# Allegro board 8880F5-0825_4.brd (continued)
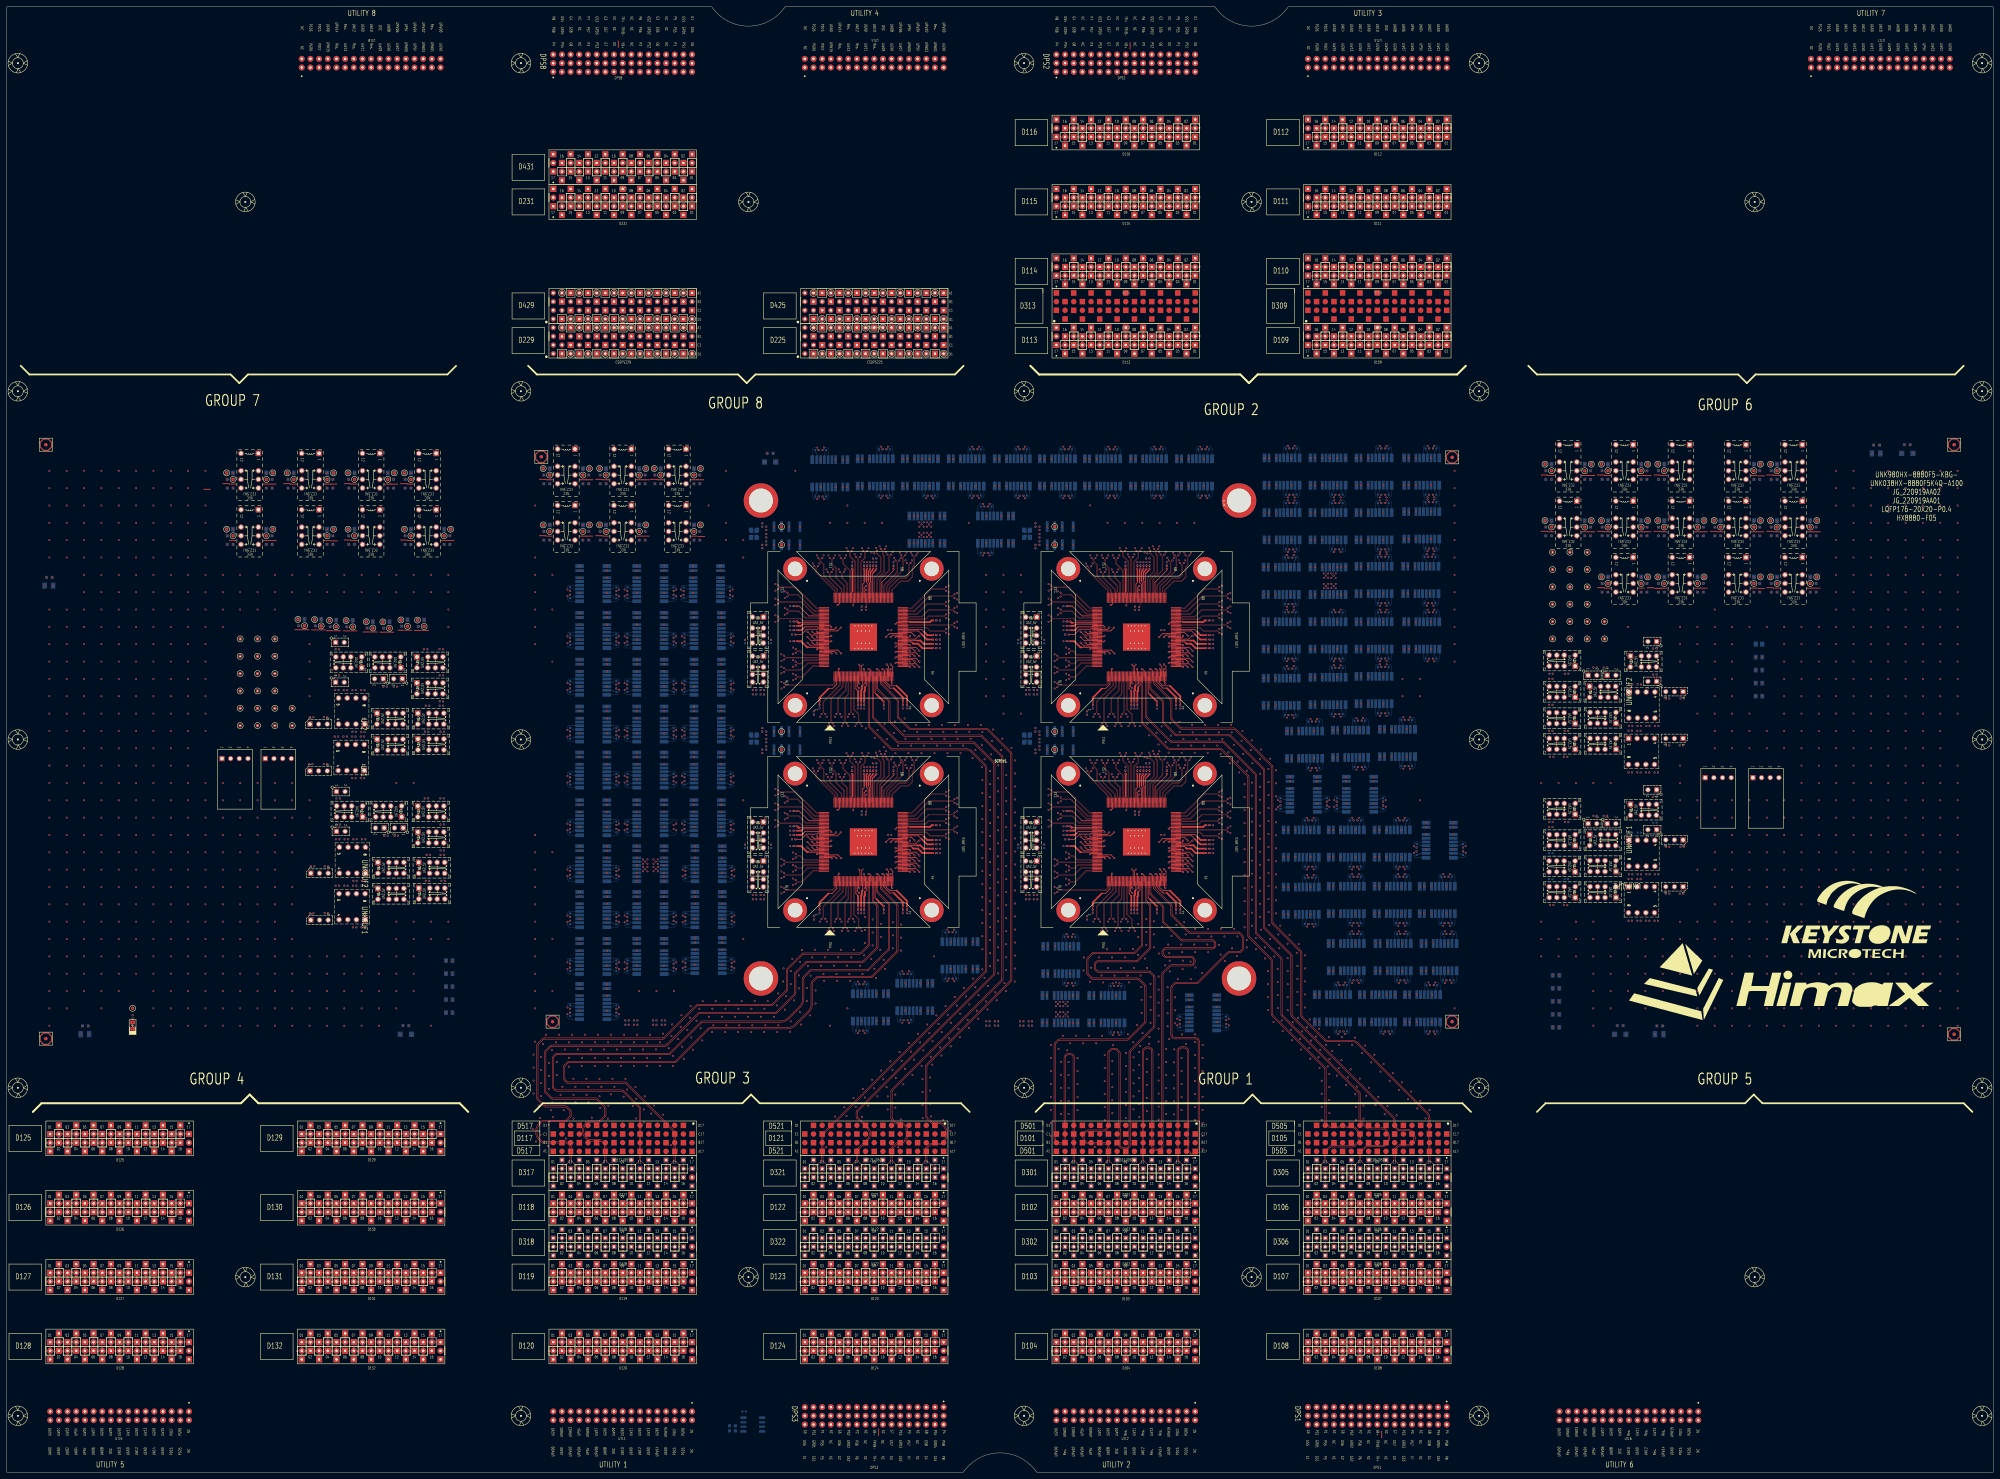
[diagram p0: board, top side]
## Routing (per net, layer and track width the routed paths; a pad name or vN(x,y) marks a point on that pad's centre or on a via; arc(x,y) is an arc through that point) (continued)
v1(167.65,59.79) v1(167.65,57.25) v1(167.65,39.47) v1(167.65,36.93) v1(167.7,265.45) v1(167.7,262) v1(167.7,257.6) v1(167.7,251.73) v1(167.7,248.28) v1(167.7,243.88) v1(167.7,238.02) v1(167.7,234.57) v1(167.7,230.17) v1(167.7,224.3) v1(167.7,220.85) v1(167.7,216.45) v1(167.7,210.84) v1(167.7,207.39) v1(167.7,202.99) v1(167.7,196.87) v1(167.7,193.42) v1(167.7,189.02) v1(167.7,183.41) v1(167.7,179.96) v1(167.7,175.56) v1(167.7,169.95) v1(167.7,166.5) v1(167.7,162.1) v1(167.7,156.23) v1(167.7,152.78) v1(167.7,148.38) v1(167.7,143.02) v1(167.7,139.57) v1(167.7,135.17) v1(168.36,119.03) v1(168.42,125.92) v1(168.45,121.37) v1(168.85,88.9) v1(168.85,68.58) v1(168.97,86.36) v1(168.92,78.84) v1(168.9,76.1) v1(168.97,66.04) v1(168.92,58.52) v1(168.9,55.78) v1(168.92,38.2) v1(168.9,35.46) v1(169.3,128.15) v1(169.72,115.24) v1(169.76,110.55) v1(170.18,87.57) v1(170.18,85.15) v1(170.17,77.37) v1(170.17,74.83) v1(170.18,67.25) v1(170.18,64.83) v1(170.17,57.05) v1(170.17,54.51) v1(170.17,36.73) v1(170.17,34.19) v1(170.3,112.9) v1(170.32,108.33) v1(170.39,292.1) v1(170.39,289.56) v1(170.39,275.59) v1(170.39,273.05) v1(170.6,294) v1(170.6,277.5) v1(171.04,123.83) v1(171.29,103.85) v1(171.39,86.36) v1(171.46,78.84) v1(171.44,76.1) v1(171.39,66.04) v1(171.46,58.52) v1(171.44,55.78) v1(171.46,38.2) v1(171.44,35.46) v1(171.51,88.9) v1(171.51,68.58) v1(172.17,119.03) v1(172.23,125.92) v1(172.26,121.37) v1(172.72,90.11) v1(172.72,87.69) v1(172.73,80.11) v1(172.73,77.57) v1(172.72,69.79) v1(172.72,67.37) v1(172.73,59.79) v1(172.73,57.25) v1(172.73,39.47) v1(172.73,36.93) v1(173.11,128.15) v1(173.57,294) v1(173.57,277.5) v1(173.53,115.24) v1(173.55,110.11) v1(173.78,292.1) v1(173.78,289.56) v1(173.78,275.59) v1(173.78,273.05) v1(173.78,106.74) v1(173.93,88.9) v1(173.93,68.58) v1(174.05,86.36) v1(174,78.84) v1(173.98,76.1) v1(174.05,66.04) v1(174,58.52) v1(173.98,55.78) v1(174,38.2) v1(173.98,35.46) v1(174.11,112.9) v1(174.85,123.83) v1(175.26,87.57) v1(175.26,85.15) v1(175.25,77.37) v1(175.25,74.83) v1(175.26,67.25) v1(175.26,64.83) v1(175.25,57.05) v1(175.25,54.51) v1(175.25,36.73) v1(175.25,34.19) v1(175.7,265.45) v1(175.7,262) v1(175.7,257.6) v1(175.7,251.73) v1(175.7,248.28) v1(175.7,243.88) v1(175.7,238.02) v1(175.7,234.57) v1(175.7,230.17) v1(175.7,224.3) v1(175.7,220.85) v1(175.7,216.45) v1(175.7,210.84) v1(175.7,207.39) v1(175.7,202.99) v1(175.7,196.87) v1(175.7,193.42) v1(175.7,189.02) v1(175.7,183.41) v1(175.7,179.96) v1(175.7,175.56) v1(175.7,169.95) v1(175.7,166.5) v1(175.7,162.1) v1(175.7,156.23) v1(175.7,152.78) v1(175.7,148.38) v1(175.7,143.02) v1(175.7,139.57) v1(175.7,135.17) v1(176.04,125.92) v1(176.07,121.37) v1(175.98,119.03) v1(175.99,103.56) v1(176.19,107.37) v1(176.47,86.36) v1(176.47,66.04) v1(176.54,78.84) v1(176.52,76.1) v1(176.54,58.52) v1(176.52,55.78) v1(176.54,38.2) v1(176.52,35.46) v1(176.59,88.9) v1(176.59,68.58) v1(176.85,110.68) v1(176.92,128.15) v1(177.34,115.24) v1(177.8,90.11) v1(177.8,87.69) v1(177.81,80.11) v1(177.81,77.57) v1(177.8,69.79) v1(177.8,67.37) v1(177.81,59.79) v1(177.81,57.25) v1(177.81,39.47) v1(177.81,36.93) v1(177.92,112.9) v1(178.66,123.83) v1(179.01,88.9) v1(179.08,78.84) v1(179.06,76.1) v1(179.01,68.58) v1(179.08,58.52) v1(179.06,55.78) v1(179.08,38.2) v1(179.06,35.46) v1(179.13,86.36) v1(179.13,66.04) v1(179.85,125.92) v1(179.79,119.03) v1(179.88,121.37) v1(180.34,87.57) v1(180.34,85.15) v1(180.33,77.37) v1(180.33,74.83) v1(180.34,67.25) v1(180.34,64.83) v1(180.33,57.05) v1(180.33,54.51) v1(180.33,36.73) v1(180.33,34.19) v1(180.6,109.99) v1(180.73,128.15) v1(181.15,115.23) v1(181.55,86.36) v1(181.55,66.04) v1(181.64,112.09) v1(181.67,88.9) v1(181.62,78.84) v1(181.6,76.1) v1(181.67,68.58) v1(181.62,58.52) v1(181.6,55.78) v1(181.62,38.2) v1(181.6,35.46) v1(182.47,123.83) v1(182.88,90.11) v1(182.88,87.69) v1(182.88,69.79) v1(182.88,67.37) v1(182.89,80.11) v1(182.89,77.57) v1(182.89,59.79) v1(182.89,57.25) v1(182.89,39.47) v1(182.89,36.93) v1(183.29,107.29) v1(183.65,131.06) v1(183.66,125.92) v1(183.6,119.03) v1(183.69,121.37) v1(184.09,112.81) v1(184.09,88.9) v1(184.16,78.84) v1(184.14,76.1) v1(184.09,68.58) v1(184.16,58.52) v1(184.14,55.78) v1(184.16,38.2) v1(184.14,35.46) v1(184.21,86.36) v1(184.21,66.04) v1(184.33,109.4) v1(184.28,103.61) v1(184.47,265.45) v1(184.47,262) v1(184.47,257.6) v1(184.47,251.73) v1(184.47,248.28) v1(184.47,243.88) v1(184.47,238.02) v1(184.47,234.57) v1(184.47,230.17) v1(184.47,224.3) v1(184.47,220.85) v1(184.47,216.45) v1(184.47,210.84) v1(184.47,207.39) v1(184.47,202.99) v1(184.47,196.87) v1(184.47,193.42) v1(184.47,189.02) v1(184.47,183.41) v1(184.47,179.96) v1(184.47,177.76) v1(184.47,175.56) v1(184.47,173.11) v1(184.47,169.95) v1(184.47,166.5) v1(184.47,162.1) v1(184.47,156.23) v1(184.47,152.78) v1(184.47,148.38) v1(184.54,128.15) v1(185.17,140.94) v1(185.42,87.57) v1(185.42,85.15) v1(185.41,77.37) v1(185.41,74.83) v1(185.42,67.25) v1(185.42,64.83) v1(185.41,57.05) v1(185.41,54.51) v1(185.41,36.73) v1(185.41,34.19) v1(186.28,123.83) v1(186.31,179.49) v1(186.31,178.22) v1(186.31,177.29) v1(186.31,176.02) v1(186.51,106.27) v1(186.51,102.46) v1(186.63,86.36) v1(186.63,66.04) v1(186.75,88.9) v1(186.7,78.84) v1(186.68,76.1) v1(186.75,68.58) v1(186.7,58.52) v1(186.68,55.78) v1(186.7,38.2) v1(186.68,35.46) v1(186.79,110.11) v1(186.9,292.1) v1(186.9,289.56) v1(186.9,275.59) v1(186.9,273.05) v1(187.11,294) v1(187.11,277.5) v1(187.47,125.92) v1(187.41,119.03) v1(187.5,121.37) v1(187.58,179.49) v1(187.58,178.22) v1(187.58,177.29) v1(187.58,176.02) v1(187.96,90.11) v1(187.96,87.69) v1(187.97,80.11) v1(187.97,77.57) v1(187.96,69.79) v1(187.96,67.37) v1(187.97,59.79) v1(187.97,57.25) v1(187.97,39.47) v1(187.97,36.93) v1(188.35,128.15) v1(188.71,105.04) v1(189.17,88.9) v1(189.17,68.58) v1(189.24,78.84) v1(189.22,76.1) v1(189.24,58.52) v1(189.22,55.78) v1(189.24,38.2) v1(189.22,35.46) v1(189.36,179.49) v1(189.36,178.22) v1(189.36,177.29) v1(189.36,176.02) v1(189.29,86.36) v1(189.29,66.04) v1(189.58,294) v1(189.48,107.42) v1(189.78,292.1) v1(189.78,289.56) v1(190.09,123.83) v1(190.25,140.94) v1(190.5,87.57) v1(190.5,85.15) v1(190.49,77.37) v1(190.49,74.83) v1(190.5,67.25) v1(190.5,64.83) v1(190.49,57.05) v1(190.49,54.51) v1(190.49,36.73) v1(190.49,34.19) v1(190.63,179.49) v1(190.63,178.22) v1(190.63,177.29) v1(190.63,176.02) v1(191.22,119.03) v1(191.28,125.92) v1(191.31,121.37) v1(191.78,131.06) v1(191.71,86.36) v1(191.78,78.84) v1(191.76,76.1) v1(191.71,66.04) v1(191.78,58.52) v1(191.76,55.78) v1(191.78,38.2) v1(191.76,35.46) v1(191.83,88.9) v1(191.83,68.58) v1(192.15,128.46) v1(192.17,104.73) v1(192.47,265.45) v1(192.47,262) v1(192.47,257.6) v1(192.47,251.73) v1(192.47,248.28) v1(192.47,243.88) v1(192.47,238.02) v1(192.47,234.57) v1(192.47,230.17) v1(192.47,224.3) v1(192.47,220.85) v1(192.47,216.45) v1(192.47,210.84) v1(192.47,207.39) v1(192.47,202.99) v1(192.47,196.87) v1(192.47,193.42) v1(192.47,189.02) v1(192.47,183.41) v1(192.47,179.96) v1(192.47,177.76) v1(192.47,175.56) v1(192.47,173.11) v1(192.47,169.95) v1(192.47,166.5) v1(192.47,162.1) v1(192.47,156.23) v1(192.47,152.78) v1(192.47,148.38) v1(193.04,90.11) v1(193.04,87.69) v1(193.05,80.11) v1(193.05,77.57) v1(193.04,69.79) v1(193.04,67.37) v1(193.05,59.79) v1(193.05,57.25) v1(193.05,39.47) v1(193.05,36.93) v1(193.88,124.19) v1(194.25,88.9) v1(194.25,68.58) v1(194.37,86.36) v1(194.32,78.84) v1(194.3,76.1) v1(194.37,66.04) v1(194.32,58.52) v1(194.3,55.78) v1(194.32,38.2) v1(194.3,35.46) v1(194.44,95.86) v1(194.61,127.77) v1(194.85,131.15) v1(195.07,121.95) v1(195.03,119.03) v1(195.26,189.59) v1(195.26,188.45) v1(195.33,140.94) v1(195.57,77.37) v1(195.57,74.83) v1(195.57,57.05) v1(195.57,54.51) v1(195.57,36.73) v1(195.57,34.19) v1(195.58,87.57) v1(195.58,85.15) v1(195.58,67.25) v1(195.58,64.83) v1(196.58,126.88) v1(196.79,86.36) v1(196.86,78.84) v1(196.84,76.1) v1(196.79,66.04) v1(196.86,58.52) v1(196.84,55.78) v1(196.86,38.2) v1(196.84,35.46) v1(196.91,88.9) v1(196.91,68.58) v1(197.31,130.47) v1(197.54,133.85) v1(197.77,124.65) v1(198.12,90.11) v1(198.12,87.69) v1(198.13,80.11) v1(198.13,77.57) v1(198.12,69.79) v1(198.12,67.37) v1(198.13,59.79) v1(198.13,57.25) v1(198.13,39.47) v1(198.13,36.93) v1(198.25,121.07) v1(199.28,129.57) v1(199.33,88.9) v1(199.33,68.58) v1(199.4,78.84) v1(199.4,58.52) v1(199.4,38.2) v1(200,133.16) v1(200.23,136.54) v1(200.46,127.34) v1(200.98,265.45) v1(200.98,262) v1(200.98,257.6) v1(200.94,123.77) v1(201.23,251.73) v1(201.23,248.28) v1(201.23,243.88) v1(201.23,238.02) v1(201.23,234.57) v1(201.23,230.17) v1(201.23,224.3) v1(201.23,220.85) v1(201.23,216.45) v1(201.23,210.84) v1(201.23,207.39) v1(201.23,202.99) v1(201.23,196.87) v1(201.23,193.42) v1(201.23,189.02) v1(201.49,183.41) v1(201.49,179.96) v1(201.49,175.56) v1(201.49,169.95) v1(201.49,166.5) v1(201.49,162.1) v1(201.49,156.48) v1(201.49,153.03) v1(201.49,148.63) v1(201.97,132.26) v1(202.79,135.76) v1(202.91,292.1) v1(202.91,289.56) v1(202.91,275.59) v1(202.91,273.05) v1(203.11,294) v1(203.11,277.5) v1(203.16,130.04) v1(203.63,126.46) v1(203.76,137.99) v1(205.49,283.18) v1(205.6,133.41) v1(206.53,128.94) v1(206.6,135.76) v1(206.87,130.9) v1(207.57,137.99) v1(208.98,265.45) v1(208.98,262) v1(208.98,257.6) v1(209.23,251.73) v1(209.23,248.28) v1(209.23,243.88) v1(209.23,238.02) v1(209.23,234.57) v1(209.23,230.17) v1(209.23,224.3) v1(209.23,220.85) v1(209.23,216.45) v1(209.23,210.84) v1(209.23,207.39) v1(209.23,202.99) v1(209.23,196.87) v1(209.23,193.42) v1(209.23,189.02) v1(209.41,133.41) v1(209.49,183.41) v1(209.49,179.96) v1(209.49,175.56) v1(209.49,169.95) v1(209.49,166.5) v1(209.49,162.1) v1(209.49,156.48) v1(209.49,153.03) v1(209.49,148.63) v1(210.34,128.94) v1(210.41,135.76) v1(210.57,293.34) v1(210.57,278.1) v1(210.57,273.02) v1(210.68,130.9) v1(211.38,137.99) v1(213.22,133.41) v1(214.15,128.94) v1(214.22,135.76) v1(214.49,130.9) v1(215.19,137.99) v1(215.65,273.02) v1(215.65,267.94) v1(215.65,196.82) v1(215.65,156.18) v1(216.15,243.83) v1(216.15,183.83) v1(217.03,133.41) v1(217.96,128.94) v1(218.03,135.76) v1(218.3,130.9) v1(218.45,227.84) v1(218.45,167.84) v1(219,137.99) v1(220.84,133.41) v1(221.21,277.98) v1(221.21,270.66) v1(221.21,217.98) v1(221.21,210.66) v1(221.77,128.94) v1(221.84,135.76) v1(222.11,130.9) v1(222.81,137.99) v1(223.77,243.83) v1(223.77,183.83) v1(224.65,133.41) v1(225.05,260.15) v1(225.05,258.25) v1(225.05,255.91) v1(225.05,254) v1(225.05,251.02) v1(225.05,249.11) v1(225.05,200.15) v1(225.05,198.25) v1(225.05,195.91) v1(225.05,194) v1(225.05,191.02) v1(225.05,189.11) v1(225.52,136.73) v1(225.58,128.94) v1(225.88,140.24) v1(225.92,130.9) v1(226.83,239.58) v1(226.83,237.68) v1(226.83,235.95) v1(226.83,234.04) v1(226.83,231.47) v1(226.83,229.56) v1(226.83,179.58) v1(226.83,177.68) v1(226.83,175.95) v1(226.83,174.04) v1(226.83,171.47) v1(226.83,169.56) v1(227.34,143.76) v1(227.43,147.57) v1(227.8,258.03) v1(227.8,256.13) v1(227.8,253.11) v1(227.8,251.21) v1(227.8,198.03) v1(227.8,196.13) v1(227.8,193.11) v1(227.8,191.21) v1(227.83,135.51) v1(228.21,139.43) v1(229.39,129.01) v1(229.57,146.8) v1(229.57,142.99) v1(229.54,132.07) v1(230.01,150.38) v1(230.22,241.56) v1(230.22,239.65) v1(230.22,237.84) v1(230.22,235.93) v1(230.22,233.9) v1(230.22,232) v1(230.22,181.56) v1(230.22,179.65) v1(230.22,177.84) v1(230.22,175.93) v1(230.22,173.9) v1(230.22,172) v1(230.53,138.2) v1(230.89,293.34) v1(231.98,145.54) v1(231.98,141.73) v1(232.27,149.49) v1(232.24,134.76) v1(232.47,86.36) v1(232.4,76.1) v1(232.47,66.04) v1(232.4,55.78) v1(232.4,35.46) v1(232.55,131.13) v1(232.81,152.95) v1(233.67,77.37) v1(233.67,74.83) v1(233.67,57.05) v1(233.67,54.51) v1(233.67,36.73) v1(233.67,34.19) v1(233.68,87.57) v1(233.68,85.15) v1(233.68,67.25) v1(233.68,64.83) v1(234.27,137.98) v1(234.31,141.79) v1(234.58,148.32) v1(234.89,86.36) v1(234.96,78.84) v1(234.94,76.1) v1(234.89,66.04) v1(234.96,58.52) v1(234.94,55.78) v1(234.96,38.2) v1(234.94,35.46) v1(235.01,88.9) v1(235.01,68.58) v1(235.25,133.82) v1(235.35,145.46) v1(235.84,150.82) v1(236.04,266.18) v1(236.04,206.18) v1(236.22,90.11) v1(236.22,87.69) v1(236.23,80.11) v1(236.23,77.57) v1(236.22,69.79) v1(236.22,67.37) v1(236.23,59.79) v1(236.23,57.25) v1(236.23,39.47) v1(236.23,36.93) v1(236.32,221.9) v1(236.32,161.9) v1(236.62,153.04) v1(236.81,141.11) v1(236.81,137.3) v1(237.26,268.58) v1(237.26,208.58) v1(237.43,88.9) v1(237.43,68.58) v1(237.55,86.36) v1(237.5,78.84) v1(237.48,76.1) v1(237.55,66.04) v1(237.5,58.52) v1(237.48,55.78) v1(237.5,38.2) v1(237.48,35.46) v1(237.94,266.18) v1(237.94,206.18) v1(238.17,221.3) v1(238.17,161.3) v1(238.3,296.61) v1(238.3,288.61) v1(238.39,148.37) v1(238.76,87.57) v1(238.76,85.15) v1(238.75,77.37) v1(238.75,74.83) v1(238.76,67.25) v1(238.76,64.83) v1(238.75,57.05) v1(238.75,54.51) v1(238.75,36.73) v1(238.75,34.19) v1(239.17,268.58) v1(239.17,208.58) v1(239.13,145.93) v1(239.35,143.95) v1(239.65,150.82) v1(239.9,95.2) v1(239.97,86.36) v1(239.97,66.04) v1(240.01,264.45) v1(240.07,221.3) v1(240.01,204.45) v1(240.07,161.3) v1(240.04,78.84) v1(240.02,76.1) v1(240.04,58.52) v1(240.02,55.78) v1(240.04,38.2) v1(240.02,35.46) v1(240.09,88.9) v1(240.09,68.58) v1(240.35,218.55) v1(240.35,158.55) v1(240.43,153.04) v1(240.59,268.58) v1(240.59,208.58) v1(241.05,278.1) v1(241.05,130.78) v1(241.3,90.11) v1(241.3,87.69) v1(241.31,80.11) v1(241.31,77.57) v1(241.3,69.79) v1(241.3,67.37) v1(241.31,59.79) v1(241.31,57.25) v1(241.31,39.47) v1(241.31,36.93) v1(241.91,264.45) v1(241.91,204.45) v1(242.26,218.55) v1(242.26,158.55) v1(242.2,148.37) v1(242.5,268.58) v1(242.51,221.3) v1(242.5,208.58) v1(242.51,161.3) v1(242.56,104.18) v1(242.51,88.9) v1(242.58,78.84) v1(242.56,76.1) v1(242.51,68.58) v1(242.58,58.52) v1(242.56,55.78) v1(242.58,38.2) v1(242.56,35.46) v1(242.63,86.36) v1(242.63,66.04) v1(242.7,296.61) v1(242.7,288.61) v1(242.94,145.93) v1(243.16,143.95) v1(243.46,150.82) v1(243.58,264.45) v1(243.58,204.45) v1(243.84,268.58) v1(243.84,208.58) v1(243.84,87.57) v1(243.84,85.15) v1(243.83,77.37) v1(243.83,74.83) v1(243.84,67.25) v1(243.84,64.83) v1(243.83,57.05) v1(243.83,54.51) v1(243.83,36.73) v1(243.83,34.19) v1(244.24,153.04) v1(244.41,221.3) v1(244.41,161.3) v1(244.5,218.55) v1(244.5,158.55) v1(245.05,86.36) v1(245.05,66.04) v1(245.17,88.9) v1(245.12,78.84) v1(245.1,76.1) v1(245.17,68.58) v1(245.12,58.52) v1(245.1,55.78) v1(245.12,38.2) v1(245.1,35.46) v1(245.26,106.88) v1(245.49,264.45) v1(245.49,204.45) v1(245.74,268.58) v1(245.74,208.58) v1(245.88,270.67) v1(245.88,210.67) v1(245.88,104.36) v1(246.01,148.37) v1(246.15,296.61) v1(246.15,288.61) v1(246.13,283.18) v1(246.13,278.1) v1(246.13,135.86) v1(246.28,221.3) v1(246.28,161.3) v1(246.38,90.11) v1(246.38,87.69) v1(246.38,69.79) v1(246.38,67.37) v1(246.4,218.55) v1(246.4,158.55) v1(246.39,80.11) v1(246.39,77.57) v1(246.39,59.79) v1(246.39,57.25) v1(246.39,39.47) v1(246.39,36.93) v1(246.75,145.93) v1(246.97,143.95) v1(247.27,150.82) v1(247.59,88.9) v1(247.66,78.84) v1(247.64,76.1) v1(247.59,68.58) v1(247.66,58.52) v1(247.64,55.78) v1(247.66,38.2) v1(247.64,35.46) v1(247.71,86.36) v1(247.71,66.04) v1(247.79,270.67) v1(247.79,210.67) v1(247.95,109.57) v1(248.05,153.04) v1(248.28,268.87) v1(248.18,221.3) v1(248.28,208.87) v1(248.18,161.3) v1(248.45,218.55) v1(248.45,158.55) v1(248.57,107.05) v1(248.92,87.57) v1(248.92,85.15) v1(248.91,77.37) v1(248.91,74.83) v1(248.92,67.25) v1(248.92,64.83) v1(248.91,57.05) v1(248.91,54.51) v1(248.91,36.73) v1(248.91,34.19) v1(249.15,296.86) v1(249.15,288.86) v1(249.82,148.37) v1(250.13,86.36) v1(250.13,66.04) v1(250.18,268.87) v1(250.18,208.87) v1(250.23,140.14) v1(250.23,132.14) v1(250.25,88.9) v1(250.2,78.84) v1(250.18,76.1) v1(250.25,68.58) v1(250.2,58.52) v1(250.18,55.78) v1(250.2,38.2) v1(250.18,35.46) v1(250.34,252.59) v1(250.36,218.55) v1(250.34,192.59) v1(250.36,158.55) v1(250.41,270.67) v1(250.41,210.67) v1(250.4,104.04) v1(250.56,145.93) v1(250.64,112.27) v1(251.04,151.4) v1(251.21,278.1) v1(251.27,109.74) v1(251.32,162.63) v1(251.32,158.82) v1(251.32,155.01) v1(251.46,90.11) v1(251.46,87.69) v1(251.47,80.11) v1(251.47,77.57) v1(251.46,69.79) v1(251.46,67.37) v1(251.47,59.79) v1(251.47,57.25) v1(251.47,39.47) v1(251.47,36.93) v1(251.54,253.46) v1(251.51,217.86) v1(251.54,193.46) v1(252.23,107.38) v1(252.31,270.67) v1(252.31,210.67) v1(252.6,296.86) v1(252.6,288.86) v1(252.67,88.9) v1(252.67,68.58) v1(252.74,78.84) v1(252.72,76.1) v1(252.74,58.52) v1(252.72,55.78) v1(252.74,38.2) v1(252.72,35.46) v1(252.79,86.36) v1(252.79,66.04) v1(253.17,269.43) v1(253.17,209.43) v1(253.11,150.31) v1(253.34,114.96) v1(253.54,161.91) v1(253.54,158.1) v1(253.52,154.29) v1(253.96,112.44) v1(254.07,147.41) v1(254,87.57) v1(254,85.15) v1(253.99,77.37) v1(253.99,74.83) v1(254,67.25) v1(254,64.83) v1(253.99,57.05) v1(253.99,54.51) v1(253.99,36.73) v1(253.99,34.19) v1(254.15,215.12) v1(254.51,270.78) v1(254.51,210.78) v1(254.51,144.73) v1(254.61,267.66) v1(254.61,207.66) v1(254.63,140.14) v1(254.63,132.14) v1(254.92,110.07) v1(254.99,217.43) v1(255.21,86.36) v1(255.28,78.84) v1(255.26,76.1) v1(255.21,66.04) v1(255.28,58.52) v1(255.26,55.78) v1(255.28,38.2) v1(255.26,35.46) v1(255.33,88.9) v1(255.33,68.58) v1(255.58,271.2) v1(255.58,211.2) v1(255.77,153.03) v1(256.03,160.64) v1(256.03,156.83) v1(256.03,117.65) v1(256.29,278.1) v1(256.54,90.11) v1(256.54,87.69) v1(256.55,80.11) v1(256.55,77.57) v1(256.54,69.79) v1(256.54,67.37) v1(256.55,59.79) v1(256.55,57.25) v1(256.55,39.47) v1(256.55,36.93) v1(256.66,115.13) v1(256.77,150.1) v1(256.85,212.42) v1(257,296.86) v1(257,288.86) v1(257.06,219.26) v1(257.2,147.42) v1(257.46,269.59) v1(257.46,209.59) v1(257.48,271.2) v1(257.48,211.2) v1(257.62,112.77) v1(257.68,214.73) v1(257.75,88.9) v1(257.75,68.58) v1(257.87,86.36) v1(257.82,78.84) v1(257.8,76.1) v1(257.87,66.04) v1(257.82,58.52) v1(257.8,55.78) v1(257.82,38.2) v1(257.8,35.46) v1(257.95,110.06) v1(257.95,106.25) v1(257.99,246.67) v1(257.99,186.67) v1(258.08,140.14) v1(258.08,132.14) v1(258.73,120.35) v1(259.08,87.57) v1(259.08,85.15) v1(259.07,77.37) v1(259.07,74.83) v1(259.08,67.25) v1(259.08,64.83) v1(259.07,57.05) v1(259.07,54.51) v1(259.07,36.73) v1(259.07,34.19) v1(259.37,269.59) v1(259.37,209.59) v1(259.35,117.83) v1(259.44,161.08) v1(259.44,157.27) v1(259.44,153.46) v1(259.75,216.57) v1(259.83,267.86) v1(259.83,207.86) v1(260.12,219.87) v1(260.18,110.61) v1(260.18,106.8) v1(260.2,210.63) v1(260.31,115.46) v1(260.29,86.36) v1(260.36,78.84) v1(260.34,76.1) v1(260.29,66.04) v1(260.36,58.52) v1(260.34,55.78) v1(260.36,38.2) v1(260.34,35.46) v1(260.41,88.9) v1(260.41,68.58) v1(261,212.85) v1(261,95.15) v1(261.42,123.04) v1(261.54,269.37) v1(261.54,209.37) v1(261.62,90.11) v1(261.62,87.69) v1(261.63,80.11) v1(261.63,77.57) v1(261.62,69.79) v1(261.62,67.37) v1(261.63,59.79) v1(261.63,57.25) v1(261.63,39.47) v1(261.63,36.93) v1(261.74,267.86) v1(261.74,207.86) v1(261.74,103.33) v1(261.9,160.42) v1(261.9,156.61) v1(261.9,152.8) v1(262.04,120.52) v1(262.36,296.86) v1(262.36,288.86) v1(262.5,113.63) v1(262.82,217.17) v1(262.83,88.9) v1(262.83,68.58) v1(262.9,220.78) v1(262.95,86.36) v1(262.9,78.84) v1(262.88,76.1) v1(262.95,66.04) v1(262.9,58.52) v1(262.88,55.78) v1(262.9,38.2) v1(262.88,35.46) v1(263.01,118.16) v1(263.14,267.1) v1(263.15,214.85) v1(263.14,207.1) v1(263.19,143.19) v1(263.19,135.19) v1(263.45,269.37) v1(263.45,209.37) v1(264.01,210.63) v1(264.11,125.74) v1(264.16,87.57) v1(264.16,85.15) v1(264.15,77.37) v1(264.15,74.83) v1(264.16,67.25) v1(264.16,64.83) v1(264.15,57.05) v1(264.15,54.51) v1(264.15,36.73) v1(264.15,34.19) v1(264.29,280.1) v1(264.29,272.1) v1(264.74,123.21) v1(264.8,269.37) v1(264.81,212.85) v1(264.8,209.37) v1(265.05,267.1) v1(265.05,207.1) v1(265.19,116.33) v1(265.37,86.36) v1(265.37,66.04) v1(265.44,78.84) v1(265.42,76.1) v1(265.44,58.52) v1(265.42,55.78) v1(265.44,38.2) v1(265.42,35.46) v1(265.49,88.9) v1(265.49,68.58) v1(265.7,120.85) v1(265.81,296.86) v1(265.81,288.86) v1(266.17,218.85) v1(266.62,216.89) v1(266.74,280.1) v1(266.74,272.1) v1(266.7,269.37) v1(266.7,209.37) v1(266.7,90.11) v1(266.7,87.69) v1(266.71,80.11) v1(266.71,77.57) v1(266.7,69.79) v1(266.7,67.37) 